# KiCad board DFTBoard.kicad_pcb
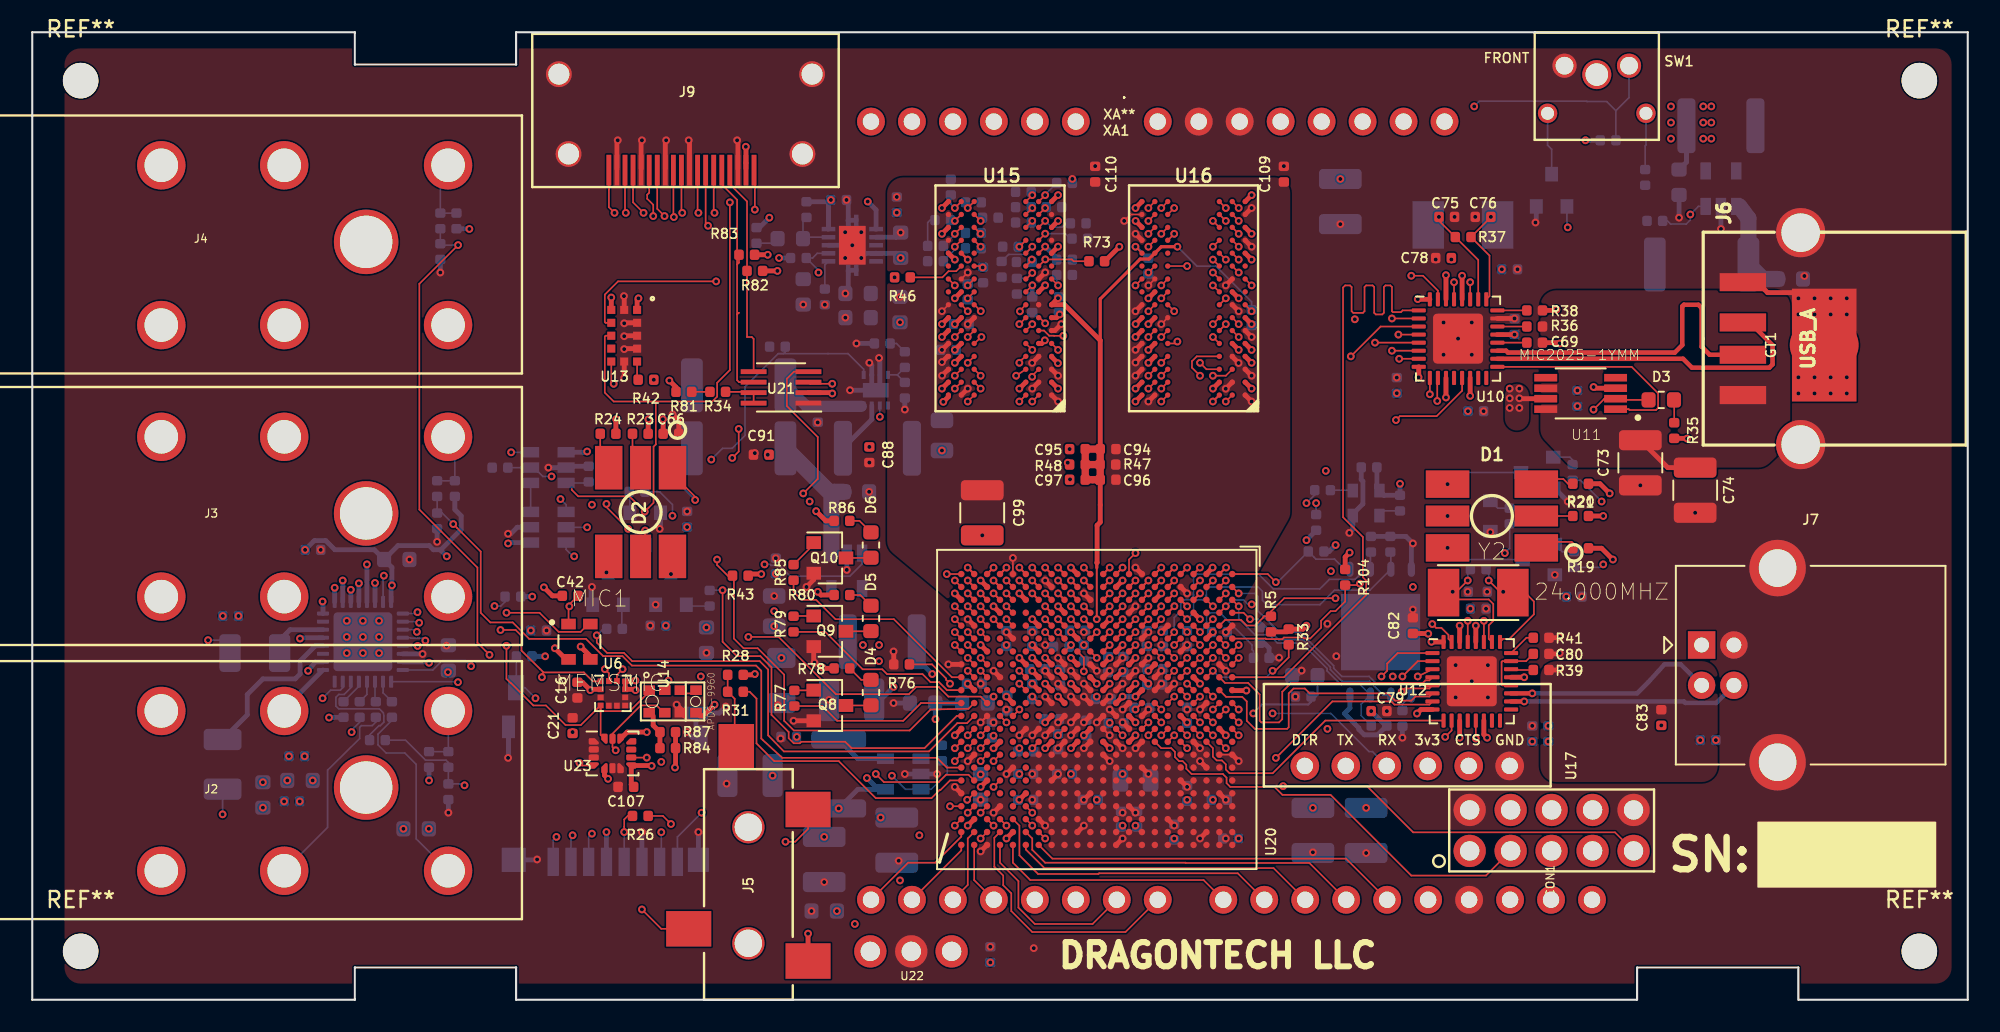
[diagram p0: board, top side]
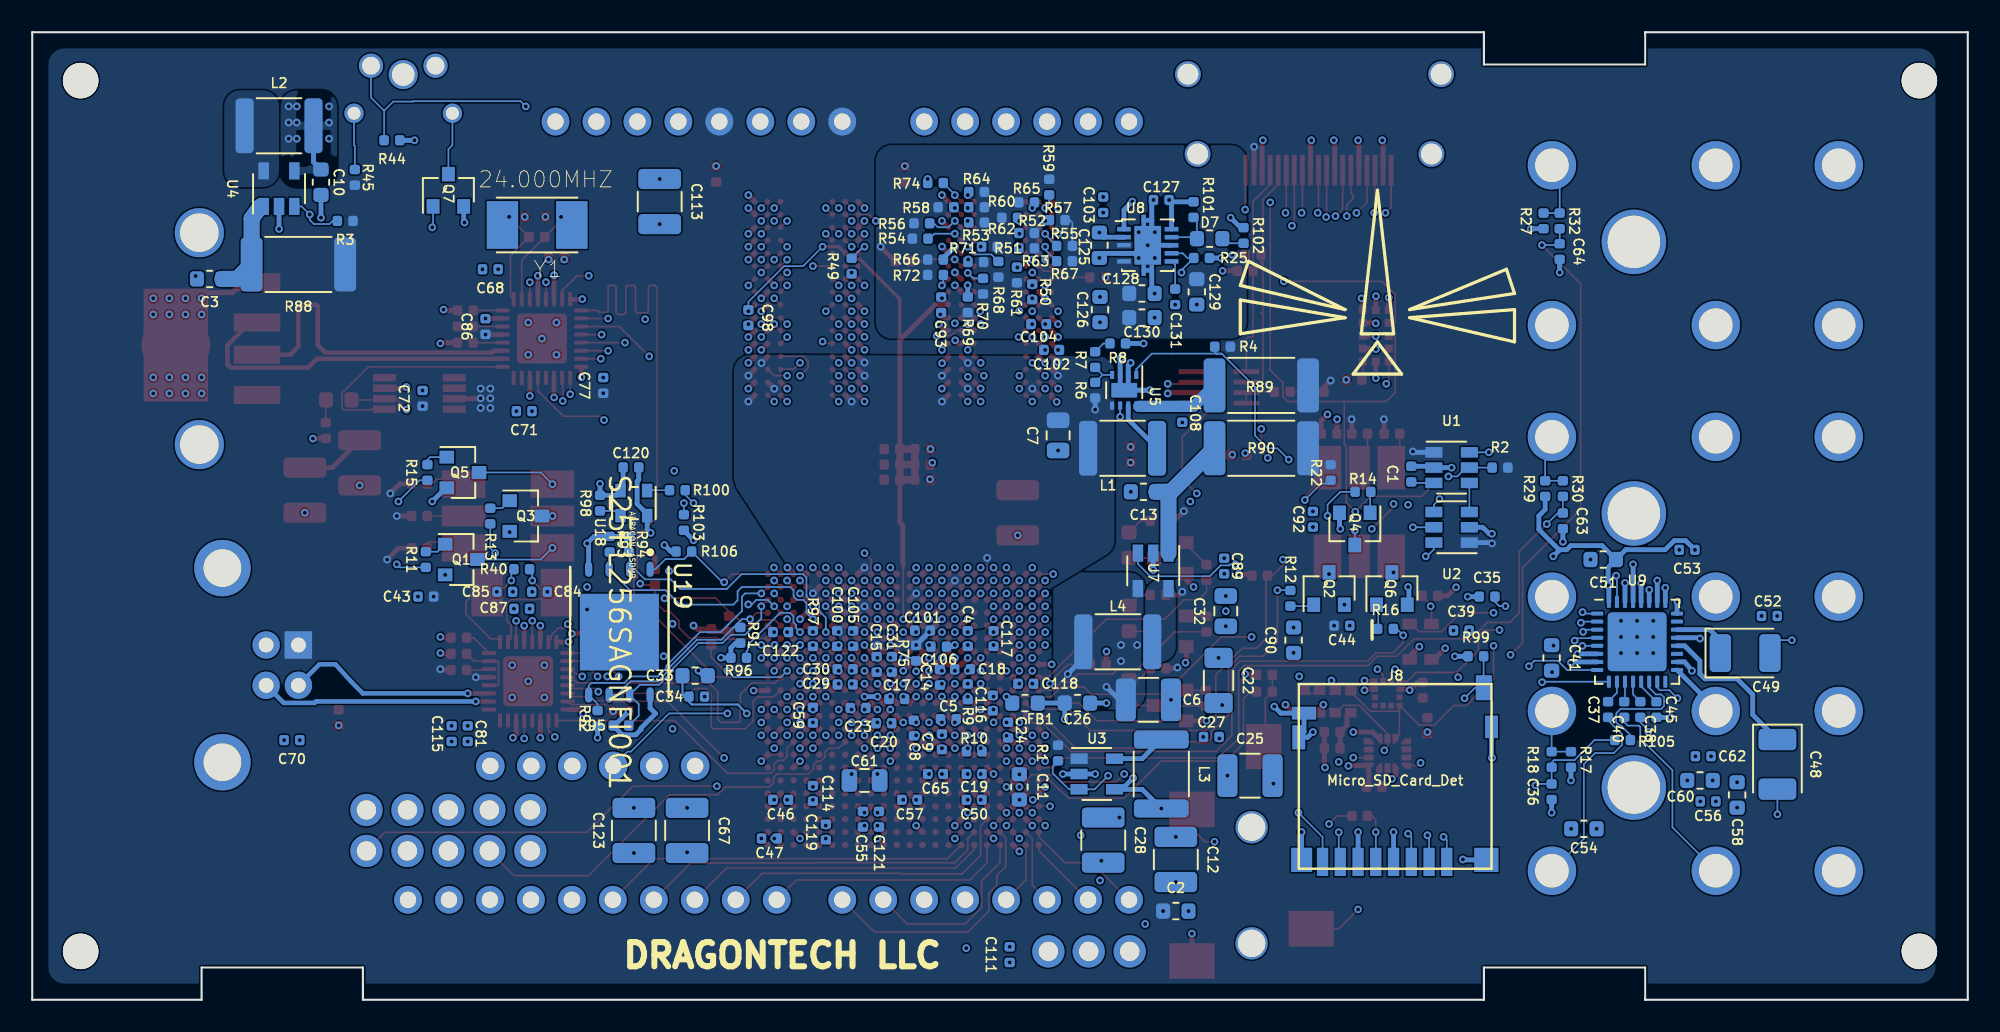
[diagram p1: board, bottom side, seen from below]

Outline 120 x 60 mm; copper layers: TOP_GND (plane), GND0 (plane), SIGNAL1, GND1 (plane), SIGNAL2, GND2, SIGNAL4, BOTTOM (plane). Coordinates in mm from the lower left corner of the outline.
Outline path: 0,60 0,0 20,0 20,2 30,2 30,0 99.5,0 99.5,2 109.5,2 109.5,0 120,0 120,60 30,60 30,58 20,58 20,60 0,60

## Placement (name value [footprint] x y rotation side)
C1  .47uF  [C_0402_1005Metric]  34.5 32.6 90 bottom
C2  10uF  [C_0603_1608Metric]  49.1 5.5 180 bottom
C3  10uF  [C_0603_1608Metric]  109 44.7 0 bottom
C4  .47uF  [C_0402_1005Metric]  62 22.4 90 bottom
C5  4.7uF  [C_0402_1005Metric]  63.2 17.4 0 bottom
C6  100uF  [C_1210_3225Metric]  50.8 18.6 180 bottom
C7  47uF  [C_0805_2012Metric]  56.4 35 270 bottom
C8  .47uF  [C_0402_1005Metric]  65.35 16.85 90 bottom
C9  4.7uF  [C_0402_1005Metric]  63.6 16 270 bottom
C10  10uF  [C_0603_1608Metric]  102.1 50.7 270 bottom
C11  10uF  [C_0603_1608Metric]  58.8 13.2 270 bottom
C12  100uF  [C_1210_3225Metric]  49.1 8.7 270 bottom
C13  10uF  [C_0603_1608Metric]  51.1 31.5 0 bottom
C14  .47uF  [C_0402_1005Metric]  63.72 20 270 bottom
C15  .47uF  [C_0402_1005Metric]  67.65 20.8 90 bottom
C16  .1uF  [C_0402_1005Metric]  33.8 19.2 270 top
C17  .47uF  [C_0402_1005Metric]  66.4 18.65 0 bottom
C18  .47uF  [C_0402_1005Metric]  62.32 20.5 0 bottom
C19  4.7uF  [C_0402_1005Metric]  61.6 14 0 bottom
C20  4.7uF  [C_0402_1005Metric]  67.2 17.15 0 bottom
C21  4.7uF  [C_0402_1005Metric]  33.5 17 90 top
C22  330uF  [C_1206_3216Metric]  46.45 19.8 270 bottom
C23  .47uF  [C_0402_1005Metric]  68.8 18.1 0 bottom
C24  4.7uF  [C_0402_1005Metric]  59.5 16.72 90 bottom
C25  100uF  [C_1210_3225Metric]  44.5 13.9 180 bottom
C26  10uF  [C_0603_1608Metric]  55.2 18.4 180 bottom
C27  4.7uF  [C_0402_1005Metric]  46.9 16.3 180 bottom
C28  100uF  [C_1210_3225Metric]  53.6 9.9 270 bottom
C29  .47uF  [C_0402_1005Metric]  69.6 19.55 0 bottom
C30  .47uF  [C_0402_1005Metric]  69.6 20.5 0 bottom
C31  .47uF  [C_0402_1005Metric]  66.7 20.8 270 bottom
C32  47uF  [C_0805_2012Metric]  46 24.1 90 bottom
C33  10uF  [C_0603_1608Metric]  78.9 20.1 180 bottom
C34  .47uF  [C_0402_1005Metric]  78.8 18.8 180 bottom
C35  2.2uF  [C_0402_1005Metric]  29.8 25 180 bottom
C36  .1uF  [C_0402_1005Metric]  25.8 12.9 90 bottom
C37  1uF  [C_0402_1005Metric]  22.3 18 270 bottom
C38  1uF  [C_0402_1005Metric]  20.3 18 270 bottom
C39  .1uF  [C_0402_1005Metric]  31.4 22.9 180 bottom
C40  1uF  [C_0402_1005Metric]  21.3 18 270 bottom
C41  10uF  [C_0603_1608Metric]  25.8 21.2 270 bottom
C42  4.7uF  [C_0402_1005Metric]  33.35 25.05 180 top
C43  1uF  [C_0402_1005Metric]  95.6 25 0 bottom
C44  1uF  [C_0402_1005Metric]  38.8 23.2 180 bottom
C45  1uF  [C_0402_1005Metric]  19.3 18 90 bottom
C46  .47uF  [C_0402_1005Metric]  73.6 12.4 0 bottom
C47  .47uF  [C_0402_1005Metric]  74.3 10 180 bottom
C48  220uF Tant.  [CP_EIA-3528-12_Kemet-T]  11.8 14.6 270 bottom
C49  220uF Tant.  [CP_EIA-3528-12_Kemet-T]  13.8 21.5 180 bottom
C50  .47uF  [C_0402_1005Metric]  61.6 12.4 0 bottom
C51  10uF  [C_0603_1608Metric]  22.6 27.3 0 bottom
C52  .1uF  [C_0402_1005Metric]  12.3 23.8 0 bottom
C53  .1uF  [C_0402_1005Metric]  17.4 27.9 0 bottom
C54  10uF  [C_0603_1608Metric]  23.8 10.6 0 bottom
C55  .47uF  [C_0402_1005Metric]  68.5 11.2 90 bottom
C56  .1uF  [C_0402_1005Metric]  16.1 12.3 0 bottom
C57  4.7uF  [C_0402_1005Metric]  65.6 12.4 180 bottom
C58  10uF  [C_0603_1608Metric]  14.3 12.7 90 bottom
C59  4.7uF  [C_0402_1005Metric]  71.6 17.65 90 bottom
C60  10uF  [C_0603_1608Metric]  16.6 13.6 0 bottom
C61  47uF  [C_0805_2012Metric]  68.4 13.6 0 bottom
C62  .1uF  [C_0402_1005Metric]  16.4 15.1 0 bottom
C63  .1uF  [C_0402_1005Metric]  25.1 29.7 270 bottom
C64  .1uF  [C_0402_1005Metric]  25.3 46.4 270 bottom
C65  .47uF  [C_0402_1005Metric]  64 14 180 bottom
C66  4.7uF  [C_0402_1005Metric]  39.6 35.1 0 top
C67  100uF  [C_1210_3225Metric]  79.4 10.5 270 bottom
C68  .1uF  [C_0402_1005Metric]  91.6 45.3 0 bottom
C69  2.2uF  [C_0402_1005Metric]  93.15 40.75 180 top
C70  .1uF  [C_0402_1005Metric]  103.9 16.1 0 bottom
C71  .1uF  [C_0402_1005Metric]  89.5 36.5 0 bottom
C72  .1uF  [C_0402_1005Metric]  95.8 37.3 90 bottom
C73  100uF  [C_1210_3225Metric]  99.7 33.3 90 top
C74  100uF  [C_1210_3225Metric]  103.1 31.6 90 top
C75  18pF  [C_0402_1005Metric]  87.7 48.55 180 top
C76  18pF  [C_0402_1005Metric]  89.95 48.55 0 top
C77  .1uF  [C_0402_1005Metric]  84.6 38.1 90 bottom
C78  .47uF  [C_0402_1005Metric]  87.5 46 180 top
C79  .1uF  [C_0402_1005Metric]  83.5 17.9 0 top
C80  2.2uF  [C_0402_1005Metric]  93.55 21.45 180 top
C81  .1uF  [C_0402_1005Metric]  93 16.5 90 bottom
C82  .1uF  [C_0402_1005Metric]  85.6 23.2 90 top
C83  4.7uF  [C_0402_1005Metric]  101 17.5 90 top
C84  18pF  [C_0402_1005Metric]  88.55 25.3 180 bottom
C85  18pF  [C_0402_1005Metric]  90.7 25.3 0 bottom
C86  .1uF  [C_0402_1005Metric]  91.9 41.75 90 bottom
C87  .47uF  [C_0402_1005Metric]  89.65 24.25 0 bottom
C88  .1uF  [C_0402_1005Metric]  51.9 33.8 270 top
C89  4.7uF  [C_0402_1005Metric]  46.1 26.9 90 bottom
C90  10uF  [C_0603_1608Metric]  41.8 22.3 90 bottom
C91  1uF  [C_0402_1005Metric]  45.2 33.8 0 top
C92  1uF  [C_0402_1005Metric]  40.6 29.8 270 bottom
C93  .01uF  [C_0402_1005Metric]  63.65 43.1 270 bottom
C94  .1uF  [C_0402_1005Metric]  66.7 34.15 180 top
C95  .1uF  [C_0402_1005Metric]  64.8 34.15 180 top
C96  .1uF  [C_0402_1005Metric]  66.7 32.25 180 top
C97  .1uF  [C_0402_1005Metric]  64.8 32.25 180 top
C98  .01uF  [C_0402_1005Metric]  75.6 42.3 270 bottom
C99  100uF  [C_1210_3225Metric]  58.9 30.2 270 top
C100  4.7uF  [C_0402_1005Metric]  70.1 22.4 270 bottom
C101  .47uF  [C_0402_1005Metric]  64.8 22.9 0 bottom
C102  .47uF  [C_0402_1005Metric]  56.8 40.3 0 bottom
C103  .47uF  [C_0402_1005Metric]  53.6 49.3 270 bottom
C104  .47uF  [C_0402_1005Metric]  57.6 41.9 180 bottom
C105  .01uF  [C_0402_1005Metric]  69.1 22.4 90 bottom
C106  .01uF  [C_0402_1005Metric]  63.8 21.9 180 bottom
C107  .1uF  [C_0402_1005Metric]  36.8 13.2 180 top
C108  .47uF  [C_0402_1005Metric]  48.7 36.3 270 bottom
C109  .01uF  [C_0402_1005Metric]  77.6 51.2 90 top
C110  .01uF  [C_0402_1005Metric]  65.9 51.2 90 top
C111  .01uF  [C_0402_1005Metric]  59.4 2.8 90 bottom
C113  47uF  [C_1210_3225Metric]  81.1 49.5 270 bottom
C114  4.7uF  [C_0402_1005Metric]  71.6 12.8 90 bottom
C115  4.7uF  [C_0402_1005Metric]  94 16.5 270 bottom
C116  .47uF  [C_0402_1005Metric]  60.45 18.4 270 bottom
C117  .47uF  [C_0402_1005Metric]  60.4 22.4 90 bottom
C118  .47uF  [C_0402_1005Metric]  58.4 19.6 0 bottom
C119  .47uF  [C_0402_1005Metric]  70.8 10.4 90 bottom
C120  .01uF  [C_0402_1005Metric]  82.88 33.02 180 bottom
C121  .47uF  [C_0402_1005Metric]  67.5 11.2 90 bottom
C122  4.7uF  [C_0402_1005Metric]  73.6 22.8 0 bottom
C123  100uF  [C_1210_3225Metric]  82.7 10.5 270 bottom
C125  10uF  [C_0603_1608Metric]  53.84 46.79 270 bottom
C126  10uF  [C_0603_1608Metric]  53.8 42.8 270 bottom
C127  4.7uF  [C_0402_1005Metric]  50 49.6 180 bottom
C128  10uF  [C_0603_1608Metric]  51.2 43.8 180 bottom
C129  10uF  [C_0603_1608Metric]  47.8 43.9 270 bottom
C130  10uF  [C_0603_1608Metric]  51.2 42.3 180 bottom
C131  .1uF  [C_0402_1005Metric]  49.14 43.59 270 bottom
CON1  AVR-JTAG-10  [XilinxJTAG]  94.2 10.5 270 top
D1  LED_RGB  [PLCC6-SM-RGB-LED]  90.5 30 180 top
D2  LED_RGB  [PLCC6-SM-RGB-LED]  37.72 30.25 270 top
D3  BLUE LED  [C_0603_1608Metric]  101 37.2 0 top
D4  BLUE LED  [C_0603_1608Metric]  52 19.05 90 top
D5  BLUE LED  [C_0603_1608Metric]  52 23.65 90 top
D6  BLUE LED  [C_0603_1608Metric]  52 28.2 90 top
D7  BLUE LED  [C_0603_1608Metric]  47 47.2 180 bottom
FB1  120R, 100 MHz, size 0603  [C_0603_1608Metric]  58.45 18.4 180 bottom
GT1  GNDTIE  [gndtie]  111.1 40.6 270 top
J2  AUDIO JACK  [RA49C14B]  8 8 180 top
J3  AUDIO JACK  [RA49C14B]  8 25 180 top
J4  AUDIO JACK  [RA49C14B]  8 41.84 180 top
J5  JACK_TRS_4PINS  [SJ-352X-SMT]  44.4 2.4 90 top
J6  USB_A  [USB-A-Receptacle-FCI_87583]  107.5 41 90 top
J7  USB_B  [USB_B_OST_USB-B1HSxx_Horizontal]  103.5 22 0 top
J8  Micro_SD_Card_Det  [AMPHENOL-114-00841-68]  35.5 13.6 180 bottom
J9  HDMI_A  [10029449-111RLF]  40.5 57.4 180 top
L1  2.2uH  [C_1812_4532Metric]  52.4 34.2 0 bottom
L2  2.2uH  [C_1812_4532Metric]  104.7 54.2 180 bottom
L3  2.2uH  [C_1812_4532Metric]  50 14 270 bottom
L4  2.2uH  [C_1812_4532Metric]  52.7 22.2 0 bottom
MIC1  MEMSMIC  [MIC_SPW2430HR5H-B]  33.93 22.21 0 top
Q1  IRLML2502  [SOT-23]  93.4 27.3 180 bottom
Q2  IRLML2502  [SOT-23]  39.6 25.5 90 bottom
Q3  IRLML2502  [SOT-23]  89.4 30 180 bottom
Q4  IRLML2502  [SOT-23]  38 29.2 270 bottom
Q5  IRLML2502  [SOT-23]  93.3 32.7 180 bottom
Q6  IRLML2502  [SOT-23]  35.7 25.5 90 bottom
Q7  IRLML2502  [SOT-23]  94.2 50.2 90 bottom
Q8  IRLML2502  [SOT-23]  49.45 18.25 0 top
Q9  IRLML2502  [SOT-23]  49.45 22.85 0 top
Q10  IRLML2502  [SOT-23]  49.45 27.4 0 top
R1  100k  [R_0402_1005Metric]  56.4 15.3 270 bottom
R2  100k  [R_0402_1005Metric]  29 33 0 bottom
R3  100k  [R_0402_1005Metric]  100.6 48.3 0 bottom
R4  100k  [R_0402_1005Metric]  46.2 40.5 0 bottom
R5  100k  [R_0402_1005Metric]  76.8 23.3 90 top
R6  10k  [R_0402_1005Metric]  54.1 37.8 270 bottom
R7  240 1%  [R_0402_1005Metric]  54.1 39.7 90 bottom
R8  4.7k  [R_0402_1005Metric]  52.7 40.7 180 bottom
R9  4.7k  [R_0402_1005Metric]  62 19.1 90 bottom
R10  4.7k  [R_0402_1005Metric]  61.6 15.4 180 bottom
R11  100  [R_0402_1005Metric]  95.6 27.3 270 bottom
R12  100  [R_0402_1005Metric]  42 24.9 90 bottom
R13  100  [R_0402_1005Metric]  91.6 30 270 bottom
R14  100  [R_0402_1005Metric]  37.5 31.5 0 bottom
R15  100  [R_0402_1005Metric]  95.5 32.7 270 bottom
R16  100  [R_0402_1005Metric]  36.1 23 180 bottom
R17  100k  [R_0402_1005Metric]  24.6 14.9 90 bottom
R18  49.9k  [R_0402_1005Metric]  25.8 14.9 90 bottom
R19  100  [R_0402_1005Metric]  96 28 180 top
R20  100  [R_0402_1005Metric]  96 30 180 top
R21  150  [R_0402_1005Metric]  96 32 180 top
R22  100  [R_0402_1005Metric]  39.5 32.7 270 bottom
R23  100  [R_0402_1005Metric]  37.7 35.1 180 top
R24  150  [R_0402_1005Metric]  35.7 35.1 180 top
R25  20k  [R_0402_1005Metric]  47.5 46 0 bottom
R26  47  [R_0402_1005Metric]  37.7 11.4 180 top
R27  100k  [R_0402_1005Metric]  26.3 48.3 270 bottom
R28  100k  [R_0402_1005Metric]  43.6 20.15 0 top
R29  100k  [R_0402_1005Metric]  26.2 31.7 270 bottom
R30  49.9k  [R_0402_1005Metric]  25.1 31.7 90 bottom
R31  49.9k  [R_0402_1005Metric]  43.6 19.1 180 top
R32  49.9k  [R_0402_1005Metric]  25.3 48.3 90 bottom
R33  10k  [R_0402_1005Metric]  77.9 22.5 90 top
R34  100k  [R_0402_1005Metric]  42.5 37.7 180 top
R35  150  [R_0402_1005Metric]  101.8 35.3 270 top
R36  10k  [R_0402_1005Metric]  93.15 41.75 0 top
R37  1M  [R_0402_1005Metric]  88.72 47.3 0 top
R38  8.06k 1%  [R_0402_1005Metric]  93.15 42.75 0 top
R39  10k  [R_0402_1005Metric]  93.55 20.45 0 top
R40  1M  [R_0402_1005Metric]  89.65 26.7 0 bottom
R41  8.06k 1%  [R_0402_1005Metric]  93.55 22.45 0 top
R42  10k  [R_0402_1005Metric]  38.05 38.45 180 top
R43  10k  [R_0402_1005Metric]  43.9 26.3 180 top
R44  10k  [R_0402_1005Metric]  97.7 53.3 0 bottom
R45  150  [R_0402_1005Metric]  100 51 90 bottom
R46  240 1%  [R_0402_1005Metric]  53.95 44.8 180 top
R47  10k 1%  [R_0402_1005Metric]  66.69 33.19 180 top
R48  10k 1%  [R_0402_1005Metric]  64.8 33.19 180 top
R49  240 1%  [R_0402_1005Metric]  69.2 45.5 90 bottom
R50  80.6 1%  [R_0402_1005Metric]  58 43.9 90 bottom
R51  40.2 1%  [R_0402_1005Metric]  60.65 46.7 180 bottom
R52  40.2 1%  [R_0402_1005Metric]  58.35 47.55 180 bottom
R53  40.2 1%  [R_0402_1005Metric]  61.45 48.2 180 bottom
R54  40.2 1%  [R_0402_1005Metric]  64.95 47.2 0 bottom
R55  40.2 1%  [R_0402_1005Metric]  56 46.75 180 bottom
R56  40.2 1%  [R_0402_1005Metric]  64.85 48.15 0 bottom
R57  40.2 1%  [R_0402_1005Metric]  56.45 48.35 180 bottom
R58  40.2 1%  [R_0402_1005Metric]  63.35 49.15 0 bottom
R59  40.2 1%  [R_0402_1005Metric]  56.95 50.4 90 bottom
R60  40.2 1%  [R_0402_1005Metric]  61.45 49.15 180 bottom
R61  40.2 1%  [R_0402_1005Metric]  58.95 44.95 270 bottom
R62  40.2 1%  [R_0402_1005Metric]  59.4 48.5 0 bottom
R63  40.2 1%  [R_0402_1005Metric]  58.35 46.6 180 bottom
R64  40.2 1%  [R_0402_1005Metric]  61.45 50.1 180 bottom
R65  40.2 1%  [R_0402_1005Metric]  58.35 49.45 0 bottom
R66  40.2 1%  [R_0402_1005Metric]  64 45.9 0 bottom
R67  40.2 1%  [R_0402_1005Metric]  56 45.8 180 bottom
R68  40.2 1%  [R_0402_1005Metric]  60.1 45.3 270 bottom
R69  40.2 1%  [R_0402_1005Metric]  62 43.1 270 bottom
R70  40.2 1%  [R_0402_1005Metric]  61.05 44.25 270 bottom
R71  40.2 1%  [R_0402_1005Metric]  61.5 45.75 180 bottom
R72  40.2 1%  [R_0402_1005Metric]  64 44.95 0 bottom
R73  40.2 1%  [R_0402_1005Metric]  66 45.8 0 top
R74  4.7k  [R_0402_1005Metric]  64 50.65 0 bottom
R75  80.6 1%  [R_0402_1005Metric]  65.2 21.5 90 bottom
R76  80.6 1%  [R_0402_1005Metric]  53.9 20.8 180 top
R77  1k  [R_0402_1005Metric]  47.25 18.7 270 top
R78  150  [R_0402_1005Metric]  50.2 20.55 0 top
R79  1k  [R_0402_1005Metric]  47.2 23.3 270 top
R80  150  [R_0402_1005Metric]  50.2 25.1 180 top
R81  100k  [R_0402_1005Metric]  40.4 37.7 180 top
R82  4.7k  [R_0402_1005Metric]  44.8 45.2 180 top
R83  4.7k  [R_0402_1005Metric]  44.3 46.2 180 top
R84  47  [R_0402_1005Metric]  39.4 15.6 0 top
R85  1k  [R_0402_1005Metric]  47.2 26.5 270 top
R86  150  [R_0402_1005Metric]  50.2 29.7 180 top
R87  47  [R_0402_1005Metric]  39.4 16.6 180 top
R88  .05  [R_2512_6332Metric]  103.5 45.6 0 bottom
R89  .05  [R_2512_6332Metric]  43.8 38.1 0 bottom
R90  .05  [R_2512_6332Metric]  43.8 34.2 0 bottom
R91  20k  [R_0402_1005Metric]  76.1 22.6 270 bottom
R92  20k  [R_0402_1005Metric]  84.95 17.45 270 bottom
R93  20k  [R_0402_1005Metric]  84.2 28.25 90 bottom
R94  20k  [R_0402_1005Metric]  83 28.25 90 bottom
R95  20k  [R_0402_1005Metric]  83.5 17 0 bottom
R96  20k  [R_0402_1005Metric]  76.2 21.2 0 bottom
R97  20k  [R_0402_1005Metric]  71.6 22.4 270 bottom
R98  4.7k  [R_0402_1005Metric]  84.8 30.8 90 bottom
R99  47k  [R_0402_1005Metric]  30.5 21.3 180 bottom
R100  24.9 1%  [R_0402_1005Metric]  80 31.6 0 bottom
R101  100k  [R_0402_1005Metric]  48 49 270 bottom
R102  150  [R_0402_1005Metric]  44.9 47.4 90 bottom
R103  4.7k  [R_0402_1005Metric]  79.6 29.6 90 bottom
R104  4.7k  [R_0402_1005Metric]  81.4 26.2 270 top
R105  1k  [R_0402_1005Metric]  21.4 16.1 0 bottom
R106  20k  [R_0402_1005Metric]  79.6 27.8 0 bottom
REF**  -  [MountingHole_2.2mm_M2]  3 57 0 top
REF**#2  -  [MountingHole_2.2mm_M2]  3 3 0 top
REF**#3  -  [MountingHole_2.2mm_M2]  117 3 0 top
REF**#4  -  [MountingHole_2.2mm_M2]  117 57 0 top
SW1  TL6215RF200BDT  [tl6215_right_angle]  97 59.97 180 top
U1  LM3880  [SOT-23-6]  32 33 180 bottom
U2  LM3880  [SOT-23-6]  32 29.3 0 bottom
U3  SC189 - 1.0V  [SOT-23-5]  54 14 180 bottom
U4  SC189 - 3.3V  [SOT-23-5]  104.7 50.3 90 bottom
U5  TLV62080DSGx  [WSON-8-1EP_2x2mm_P0.5mm_EP0.9x1.6mm]  52.3 37.8 270 bottom
U6  LIS2HH12  [LGA-12_2x2mm_P0.5mm]  36 19 0 top
U7  SC189 - 1.8V  [SOT-23-5]  50.5 26.6 270 bottom
U8  TPS51200DRCR  [VSON-10-1EP_3x3mm_P0.5mm_EP1.65x2.4mm_ThermalVias]  50.84 46.79 180 bottom
U9  TLV320AIC3104  [QFN-32-1EP_5x5mm_P0.5mm_EP3.65x3.65mm]  20.5 22.2 180 bottom
U10  USB3320  [QFN-32-1EP_5x5mm_P0.5mm_EP3.1x3.1mm]  88.4 41 0 top
U11  MIC2025-1YMM  [SOP65P490X110-8N]  96 37.6 180 top
U12  USB3320  [QFN-32-1EP_5x5mm_P0.5mm_EP3.1x3.1mm]  89.25 19.75 0 top
U13  VL53L1CXV0FY/1  [Optical_LGA12]  36.7 41.18 0 top
U14  APDS-9960  [APDS_9960]  39.7 18.5 90 top
U15  MT41K256M16HA-125_E  [FBGA-96-DDR3-SDRAM]  60 43.5 180 top
U16  MT41K256M16HA-125_E  [FBGA-96-DDR3-SDRAM]  72 43.5 180 top
U17  FTDITypeUART  [FTDI_CONN]  85.25 14.5 90 top
U18  ABRACON-ASDMB  [XTAL_ASDMB-24.000MHZ-LC-T]  82.7 30.8 90 bottom
U19  S25FL256SAGNFI001  [Cypress-002-18827-0-0-0]  83.6 22.8 270 bottom
U20  xc7z020clg484  [BGA-484_19.0x19.0mm_Layout22x22_P0.80mm_dia0.40mm]  66 18 270 top
U21  PCA9306  [SSOP-8_2.95x2.8mm_P0.65mm]  46.43 37.97 180 top
U22  TSOP344  [JUMPER_3PIN]  54.5 3 0 top
U23  LSM6DSLTR  [LGA-14_3x2.5mm_P0.5mm_LayoutBorder3x4y]  35.98 15.27 0 top
XA1  -  [Arduino_Uno_Shield_Simplified]  115.5 57 180 top
Y1  24.000MHZ  [XTAL500X320X130N]  88.7 48.05 0 bottom
Y2  24.000MHZ  [XTAL500X320X130N]  89.65 25.25 0 top

## Footprints (pads in the part's own frame, mm; a bottom-side part is the same pattern mirrored in y, then rotated)
10029449-111RLF
  rect 0.3x1.9 smd: 1(4.75,5.95) 2(4.25,5.95) 3(3.75,5.95) 4(3.25,5.95) 5(2.75,5.95) 6(2.25,5.95) 7(1.75,5.95) 8(1.25,5.95) 9(0.75,5.95) 10(0.25,5.95) 11(-0.25,5.95) 12(-0.75,5.95) 13(-1.25,5.95) 14(-1.75,5.95) 15(-2.25,5.95) 16(-2.75,5.95) 17(-3.25,5.95) 18(-3.75,5.95) 19(-4.25,5.95)
  round 1.6 hole 1.3: SH(-7.85,0) SH(-7.25,4.95) SH(7.25,4.95) SH(7.85,0)
AMPHENOL-114-00841-68
  rect 0.7x1.75 smd: 1(3.2,-5.05) 2(2.1,-5.05) 3(1,-5.05) 4(-0.1,-5.05) 5(-1.2,-5.05) 6(-2.3,-5.05) 7(-3.4,-5.05) 8(-4.5,-5.05)
  rect 1.3x1.5 smd: 6(-5.8,-4.925)
  rect 1.5x1.5 smd: 6(5.65,-4.925)
  rect 0.8x1.4 smd: 6(5.975,3.325)
  rect 1x1.55 smd: 9(5.5,5.75)
  rect 1.5x0.8 smd: 10(-5.65,4.175)
  rect 0.8x1.5 smd: 11(-5.975,2.675)
APDS_9960
  rect 0.599x0.719 smd: 1(0.699,1.453) 2(0.699,0.483) 3(0.699,-0.483) 4(0.699,-1.453) 5(-0.699,-1.453) 6(-0.699,-0.483) 7(-0.699,0.483) 8(-0.699,1.453)
Arduino_Uno_Shield_Simplified
  oval 1.727x1.727 hole 1.016: (27.94,2.54) 3V3(35.56,2.54) 5V1(38.1,2.54) A0(50.8,2.54) A1(53.34,2.54) A2(55.88,2.54) A3(58.42,2.54) A4(60.96,2.54) A5(63.5,2.54) AREF(23.876,50.8) D0(63.5,50.8) D1(60.96,50.8) D2(58.42,50.8) D3(55.88,50.8) D4(53.34,50.8) D5(50.8,50.8) D6(48.26,50.8) D7(45.72,50.8) D8(41.656,50.8) D9(39.116,50.8) D10(36.576,50.8) D11(34.036,50.8) D12(31.496,50.8) D13(28.956,50.8) GND1(26.416,50.8) GND2(40.64,2.54) GND3(43.18,2.54) IORF(30.48,2.54) RST1(33.02,2.54) SCL(18.796,50.8) SDA(21.336,50.8) VIN(45.72,2.54)
BGA-484_19.0x19.0mm_Layout22x22_P0.80mm_dia0.40mm
  round 0.4 smd: A1(-8.4,8.4) A2(-7.6,8.4) A3(-6.8,8.4) A4(-6,8.4) A5(-5.2,8.4) A6(-4.4,8.4) A7(-3.6,8.4) A8(-2.8,8.4) A9(-2,8.4) A10(-1.2,8.4) A11(-0.4,8.4) A12(0.4,8.4) A13(1.2,8.4) A14(2,8.4) A15(2.8,8.4) A16(3.6,8.4) A17(4.4,8.4) A18(5.2,8.4) A19(6,8.4) A20(6.8,8.4) A21(7.6,8.4) A22(8.4,8.4) AA1(-8.4,-7.6) AA2(-7.6,-7.6) AA3(-6.8,-7.6) AA4(-6,-7.6) AA5(-5.2,-7.6) AA6(-4.4,-7.6) AA7(-3.6,-7.6) AA8(-2.8,-7.6) AA9(-2,-7.6) AA10(-1.2,-7.6) AA11(-0.4,-7.6) AA12(0.4,-7.6) AA13(1.2,-7.6) AA14(2,-7.6) AA15(2.8,-7.6) AA16(3.6,-7.6) AA17(4.4,-7.6) AA18(5.2,-7.6) AA19(6,-7.6) AA20(6.8,-7.6) AA21(7.6,-7.6) AA22(8.4,-7.6) AB1(-8.4,-8.4) AB2(-7.6,-8.4) AB3(-6.8,-8.4) AB4(-6,-8.4) AB5(-5.2,-8.4) AB6(-4.4,-8.4) AB7(-3.6,-8.4) AB8(-2.8,-8.4) AB9(-2,-8.4) AB10(-1.2,-8.4) AB11(-0.4,-8.4) AB12(0.4,-8.4) AB13(1.2,-8.4) AB14(2,-8.4) AB15(2.8,-8.4) AB16(3.6,-8.4) AB17(4.4,-8.4) AB18(5.2,-8.4) AB19(6,-8.4) AB20(6.8,-8.4) AB21(7.6,-8.4) AB22(8.4,-8.4) B1(-8.4,7.6) B2(-7.6,7.6) B3(-6.8,7.6) B4(-6,7.6) B5(-5.2,7.6) B6(-4.4,7.6) B7(-3.6,7.6) B8(-2.8,7.6) B9(-2,7.6) B10(-1.2,7.6) B11(-0.4,7.6) B12(0.4,7.6) B13(1.2,7.6) B14(2,7.6) B15(2.8,7.6) B16(3.6,7.6) B17(4.4,7.6) B18(5.2,7.6) B19(6,7.6) B20(6.8,7.6) B21(7.6,7.6) B22(8.4,7.6) C1(-8.4,6.8) C2(-7.6,6.8) C3(-6.8,6.8) C4(-6,6.8) C5(-5.2,6.8) C6(-4.4,6.8) C7(-3.6,6.8) C8(-2.8,6.8) C9(-2,6.8) C10(-1.2,6.8) C11(-0.4,6.8) C12(0.4,6.8) C13(1.2,6.8) C14(2,6.8) C15(2.8,6.8) C16(3.6,6.8) C17(4.4,6.8) C18(5.2,6.8) C19(6,6.8) C20(6.8,6.8) C21(7.6,6.8) C22(8.4,6.8) D1(-8.4,6) D2(-7.6,6) D3(-6.8,6) D4(-6,6) D5(-5.2,6) D6(-4.4,6) D7(-3.6,6) D8(-2.8,6) D9(-2,6) D10(-1.2,6) D11(-0.4,6) D12(0.4,6) D13(1.2,6) D14(2,6) D15(2.8,6) D16(3.6,6) D17(4.4,6) D18(5.2,6) D19(6,6) D20(6.8,6) D21(7.6,6) D22(8.4,6) E1(-8.4,5.2) E2(-7.6,5.2) E3(-6.8,5.2) E4(-6,5.2) E5(-5.2,5.2) E6(-4.4,5.2) E7(-3.6,5.2) E8(-2.8,5.2) E9(-2,5.2) E10(-1.2,5.2) E11(-0.4,5.2) E12(0.4,5.2) E13(1.2,5.2) E14(2,5.2) E15(2.8,5.2) E16(3.6,5.2) E17(4.4,5.2) E18(5.2,5.2) E19(6,5.2) E20(6.8,5.2) E21(7.6,5.2) E22(8.4,5.2) F1(-8.4,4.4) F2(-7.6,4.4) F3(-6.8,4.4) F4(-6,4.4) F5(-5.2,4.4) F6(-4.4,4.4) F7(-3.6,4.4) F8(-2.8,4.4) F9(-2,4.4) F10(-1.2,4.4) F11(-0.4,4.4) F12(0.4,4.4) F13(1.2,4.4) F14(2,4.4) F15(2.8,4.4) F16(3.6,4.4) F17(4.4,4.4) F18(5.2,4.4) F19(6,4.4) F20(6.8,4.4) F21(7.6,4.4) F22(8.4,4.4) G1(-8.4,3.6) G2(-7.6,3.6) G3(-6.8,3.6) G4(-6,3.6) G5(-5.2,3.6) G6(-4.4,3.6) G7(-3.6,3.6) G8(-2.8,3.6) G9(-2,3.6) G10(-1.2,3.6) G11(-0.4,3.6) G12(0.4,3.6) G13(1.2,3.6) G14(2,3.6) G15(2.8,3.6) G16(3.6,3.6) G17(4.4,3.6) G18(5.2,3.6) G19(6,3.6) G20(6.8,3.6) G21(7.6,3.6) G22(8.4,3.6) H1(-8.4,2.8) H2(-7.6,2.8) H3(-6.8,2.8) H4(-6,2.8) H5(-5.2,2.8) H6(-4.4,2.8) H7(-3.6,2.8) H8(-2.8,2.8) H9(-2,2.8) H10(-1.2,2.8) H11(-0.4,2.8) H12(0.4,2.8) H13(1.2,2.8) H14(2,2.8) H15(2.8,2.8) H16(3.6,2.8) H17(4.4,2.8) H18(5.2,2.8) H19(6,2.8) H20(6.8,2.8) H21(7.6,2.8) H22(8.4,2.8) J1(-8.4,2) J2(-7.6,2) J3(-6.8,2) J4(-6,2) J5(-5.2,2) J6(-4.4,2) J7(-3.6,2) J8(-2.8,2) J9(-2,2) J10(-1.2,2) J11(-0.4,2) J12(0.4,2) J13(1.2,2) J14(2,2) J15(2.8,2) J16(3.6,2) J17(4.4,2) J18(5.2,2) J19(6,2) J20(6.8,2) J21(7.6,2) J22(8.4,2) K1(-8.4,1.2) K2(-7.6,1.2) K3(-6.8,1.2) K4(-6,1.2) K5(-5.2,1.2) K6(-4.4,1.2) K7(-3.6,1.2) K8(-2.8,1.2) K9(-2,1.2) K10(-1.2,1.2) K11(-0.4,1.2) K12(0.4,1.2) K13(1.2,1.2) K14(2,1.2) K15(2.8,1.2) K16(3.6,1.2) K17(4.4,1.2) K18(5.2,1.2) K19(6,1.2) K20(6.8,1.2) K21(7.6,1.2) K22(8.4,1.2) L1(-8.4,0.4) L2(-7.6,0.4) L3(-6.8,0.4) L4(-6,0.4) L5(-5.2,0.4) L6(-4.4,0.4) L7(-3.6,0.4) L8(-2.8,0.4) L9(-2,0.4) L10(-1.2,0.4) L11(-0.4,0.4) L12(0.4,0.4) L13(1.2,0.4) L14(2,0.4) L15(2.8,0.4) L16(3.6,0.4) L17(4.4,0.4) L18(5.2,0.4) L19(6,0.4) L20(6.8,0.4) L21(7.6,0.4) L22(8.4,0.4) M1(-8.4,-0.4) M2(-7.6,-0.4) M3(-6.8,-0.4) M4(-6,-0.4) M5(-5.2,-0.4) M6(-4.4,-0.4) M7(-3.6,-0.4) M8(-2.8,-0.4) M9(-2,-0.4) M10(-1.2,-0.4) M11(-0.4,-0.4) M12(0.4,-0.4) M13(1.2,-0.4) M14(2,-0.4) M15(2.8,-0.4) M16(3.6,-0.4) M17(4.4,-0.4) M18(5.2,-0.4) M19(6,-0.4) M20(6.8,-0.4) M21(7.6,-0.4) M22(8.4,-0.4) N1(-8.4,-1.2) N2(-7.6,-1.2) N3(-6.8,-1.2) N4(-6,-1.2) N5(-5.2,-1.2) N6(-4.4,-1.2) N7(-3.6,-1.2) N8(-2.8,-1.2) N9(-2,-1.2) N10(-1.2,-1.2) N11(-0.4,-1.2) N12(0.4,-1.2) N13(1.2,-1.2) N14(2,-1.2) N15(2.8,-1.2) N16(3.6,-1.2) N17(4.4,-1.2) N18(5.2,-1.2) N19(6,-1.2) N20(6.8,-1.2) N21(7.6,-1.2) N22(8.4,-1.2) P1(-8.4,-2) P2(-7.6,-2) P3(-6.8,-2) P4(-6,-2) P5(-5.2,-2) P6(-4.4,-2) P7(-3.6,-2) P8(-2.8,-2) P9(-2,-2) P10(-1.2,-2) P11(-0.4,-2) P12(0.4,-2) P13(1.2,-2) P14(2,-2) P15(2.8,-2) P16(3.6,-2) P17(4.4,-2) P18(5.2,-2) P19(6,-2) P20(6.8,-2) P21(7.6,-2) P22(8.4,-2) R1(-8.4,-2.8) R2(-7.6,-2.8) R3(-6.8,-2.8) R4(-6,-2.8) R5(-5.2,-2.8) R6(-4.4,-2.8) R7(-3.6,-2.8) R8(-2.8,-2.8) R9(-2,-2.8) R10(-1.2,-2.8) R11(-0.4,-2.8) R12(0.4,-2.8) R13(1.2,-2.8) R14(2,-2.8) R15(2.8,-2.8) R16(3.6,-2.8) R17(4.4,-2.8) R18(5.2,-2.8) R19(6,-2.8) R20(6.8,-2.8) R21(7.6,-2.8) R22(8.4,-2.8) T1(-8.4,-3.6) T2(-7.6,-3.6) T3(-6.8,-3.6) T4(-6,-3.6) T5(-5.2,-3.6) T6(-4.4,-3.6) T7(-3.6,-3.6) T8(-2.8,-3.6) T9(-2,-3.6) T10(-1.2,-3.6) T11(-0.4,-3.6) T12(0.4,-3.6) T13(1.2,-3.6) T14(2,-3.6) T15(2.8,-3.6) T16(3.6,-3.6) T17(4.4,-3.6) T18(5.2,-3.6) T19(6,-3.6) T20(6.8,-3.6) T21(7.6,-3.6) T22(8.4,-3.6) U1(-8.4,-4.4) U2(-7.6,-4.4) U3(-6.8,-4.4) U4(-6,-4.4) U5(-5.2,-4.4) U6(-4.4,-4.4) U7(-3.6,-4.4) U8(-2.8,-4.4) U9(-2,-4.4) U10(-1.2,-4.4) U11(-0.4,-4.4) U12(0.4,-4.4) U13(1.2,-4.4) U14(2,-4.4) U15(2.8,-4.4) U16(3.6,-4.4) U17(4.4,-4.4) U18(5.2,-4.4) U19(6,-4.4) U20(6.8,-4.4) U21(7.6,-4.4) U22(8.4,-4.4) V1(-8.4,-5.2) V2(-7.6,-5.2) V3(-6.8,-5.2) V4(-6,-5.2) V5(-5.2,-5.2) V6(-4.4,-5.2) V7(-3.6,-5.2) V8(-2.8,-5.2) V9(-2,-5.2) V10(-1.2,-5.2) V11(-0.4,-5.2) V12(0.4,-5.2) V13(1.2,-5.2) V14(2,-5.2) V15(2.8,-5.2) V16(3.6,-5.2) V17(4.4,-5.2) V18(5.2,-5.2) V19(6,-5.2) V20(6.8,-5.2) V21(7.6,-5.2) V22(8.4,-5.2) W1(-8.4,-6) W2(-7.6,-6) W3(-6.8,-6) W4(-6,-6) W5(-5.2,-6) W6(-4.4,-6) W7(-3.6,-6) W8(-2.8,-6) W9(-2,-6) W10(-1.2,-6) W11(-0.4,-6) W12(0.4,-6) W13(1.2,-6) W14(2,-6) W15(2.8,-6) W16(3.6,-6) W17(4.4,-6) W18(5.2,-6) W19(6,-6) W20(6.8,-6) W21(7.6,-6) W22(8.4,-6) Y1(-8.4,-6.8) Y2(-7.6,-6.8) Y3(-6.8,-6.8) Y4(-6,-6.8) Y5(-5.2,-6.8) Y6(-4.4,-6.8) Y7(-3.6,-6.8) Y8(-2.8,-6.8) Y9(-2,-6.8) Y10(-1.2,-6.8) Y11(-0.4,-6.8) Y12(0.4,-6.8) Y13(1.2,-6.8) Y14(2,-6.8) Y15(2.8,-6.8) Y16(3.6,-6.8) Y17(4.4,-6.8) Y18(5.2,-6.8) Y19(6,-6.8) Y20(6.8,-6.8) Y21(7.6,-6.8) Y22(8.4,-6.8)